# Altium PCB PCB1.PcbDoc (part 5 of 14)
Units mm, origin at the board's own origin, x right, y up, seen from the top; angles counter-clockwise.
Board outline 77.2 x 62.23 mm, 2 copper layers (Top Layer, Bottom Layer); 102 components, 131 nets, 23089 pads, 324 vias.
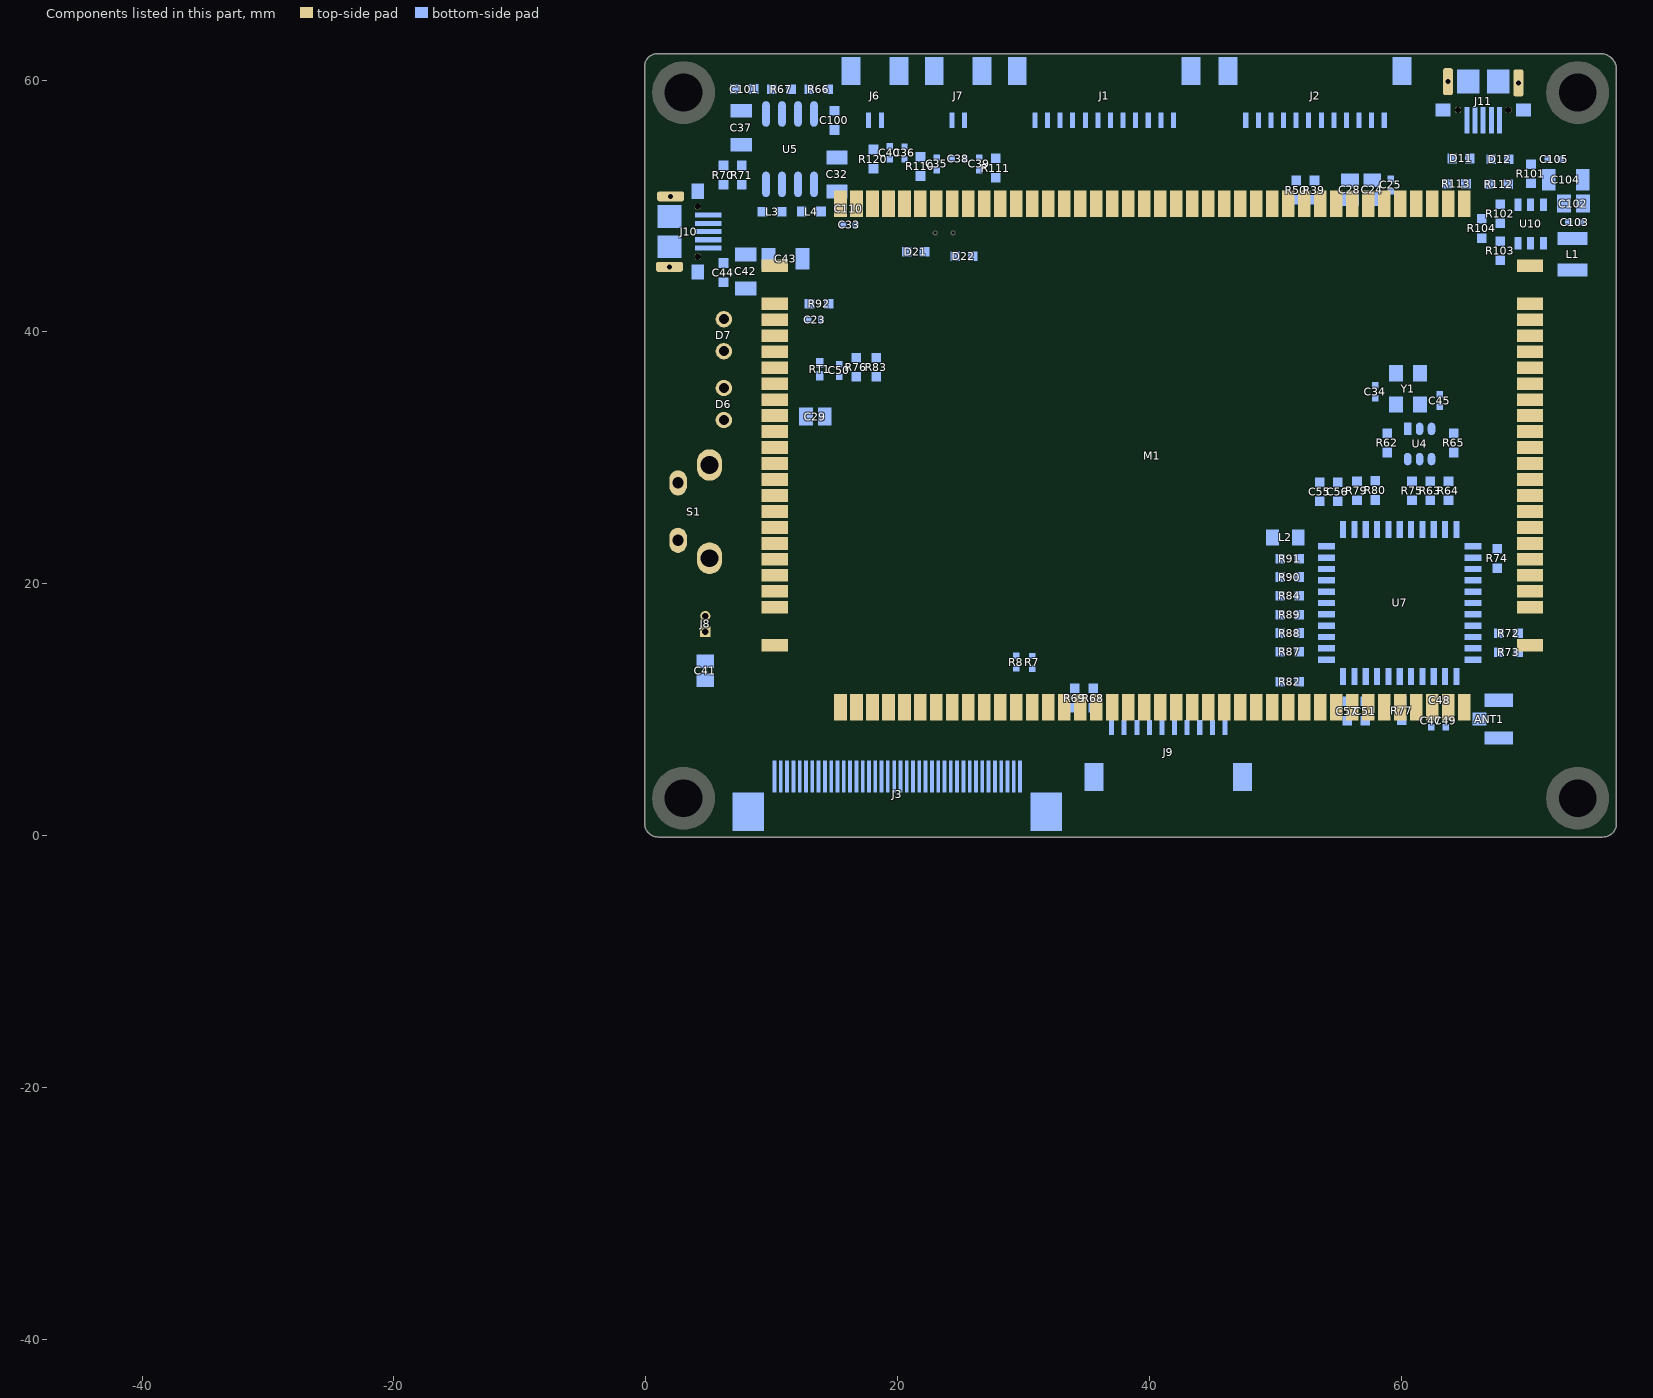
[diagram p5: the components of this part, seen from the top]

## Free pads (board coordinates) (continued)
  round 0 on Mech3: 1(-45.241,-40.495) 1(-45.241,-40.495) 1(-45.241,-40.495) 1(-45.24,-40.49) 1(-45.24,-40.49) 1(-45.24,-40.49) 1(-45.24,-40.49) 1(-45.24,-40.49) 1(-45.24,-40.49) 1(-45.24,-40.49) 1(-45.24,-40.49) 1(-45.24,-40.49) 1(-45.24,-40.492) 1(-45.24,-40.492) 1(-45.24,-40.492) 1(-45.24,-40.48) 1(-45.24,-40.48) 1(-45.24,-40.48) 1(-45.24,-40.48) 1(-45.24,-40.48) 1(-45.24,-40.48) 1(-45.24,-40.473) 1(-45.24,-40.473) 1(-45.24,-40.473) 1(-45.24,-40.48) 1(-45.24,-40.48) 1(-45.24,-40.48) 1(-45.24,-40.48) 1(-45.24,-40.48) 1(-45.24,-40.48) 1(-45.24,-40.512) 1(-45.24,-40.512) 1(-45.24,-40.512) 1(-45.24,-40.488) 1(-45.24,-40.488) 1(-45.24,-40.488) 1(-45.24,-40.485) 1(-45.24,-40.485) 1(-45.24,-40.485) 1(-45.239,-40.495) 1(-45.239,-40.495) 1(-45.239,-40.495) 1(-45.239,-40.472) 1(-45.239,-40.472) 1(-45.239,-40.472) 1(-45.239,-40.499) 1(-45.239,-40.499) 1(-45.239,-40.499) 1(-45.239,-40.511) 1(-45.239,-40.511) 1(-45.239,-40.511) 1(-45.239,-40.482) 1(-45.239,-40.482) 1(-45.239,-40.482) 1(-45.239,-40.516) 1(-45.239,-40.516) 1(-45.239,-40.516) 1(-45.239,-40.516) 1(-45.239,-40.516) 1(-45.239,-40.516) 1(-45.239,-40.513) 1(-45.239,-40.513) 1(-45.239,-40.513) 1(-45.239,-40.479) 1(-45.239,-40.479) 1(-45.239,-40.479) 1(-45.239,-40.479) 1(-45.239,-40.479) 1(-45.239,-40.479) 1(-45.239,-40.473) 1(-45.239,-40.473) 1(-45.239,-40.473) 1(-45.239,-40.498) 1(-45.239,-40.498) 1(-45.239,-40.498) 1(-45.239,-40.498) 1(-45.239,-40.498) 1(-45.239,-40.498) 1(-45.239,-40.502) 1(-45.239,-40.502) 1(-45.239,-40.502) 1(-45.238,-40.485) 1(-45.238,-40.485) 1(-45.238,-40.485) 1(-45.238,-40.49) 1(-45.238,-40.49) 1(-45.238,-40.49) 1(-45.238,-40.49) 1(-45.238,-40.49) 1(-45.238,-40.49) 1(-45.238,-40.47) 1(-45.238,-40.47) 1(-45.238,-40.47) 1(-45.238,-40.47) 1(-45.238,-40.47) 1(-45.238,-40.47) 1(-45.238,-40.498) 1(-45.238,-40.498) 1(-45.238,-40.498) 1(-45.238,-40.471) 1(-45.238,-40.471) 1(-45.238,-40.471) 1(-45.238,-40.471) 1(-45.238,-40.471) 1(-45.238,-40.471) 1(-45.238,-40.488) 1(-45.238,-40.488) 1(-45.238,-40.488) 1(-45.238,-40.513) 1(-45.238,-40.513) 1(-45.238,-40.513) 1(-45.237,-40.503) 1(-45.237,-40.503) 1(-45.237,-40.503) 1(-45.237,-40.509) 1(-45.237,-40.509) 1(-45.237,-40.509) 1(-45.237,-40.507) 1(-45.237,-40.507) 1(-45.237,-40.507) 1(-45.237,-40.506) 1(-45.237,-40.506) 1(-45.237,-40.506) 1(-45.237,-40.501) 1(-45.237,-40.501) 1(-45.237,-40.501) 1(-45.237,-40.493) 1(-45.237,-40.493) 1(-45.237,-40.493) 1(-45.237,-40.504) 1(-45.237,-40.504) 1(-45.237,-40.504) 1(-45.237,-40.516) 1(-45.237,-40.516) 1(-45.237,-40.516) 1(-45.237,-40.516) 1(-45.237,-40.516) 1(-45.237,-40.516) 1(-45.237,-40.513) 1(-45.237,-40.513) 1(-45.237,-40.513) 1(-45.237,-40.513) 1(-45.237,-40.513) 1(-45.237,-40.513) 1(-45.237,-40.491) 1(-45.237,-40.491) 1(-45.237,-40.491) 1(-45.237,-40.47) 1(-45.237,-40.47) 1(-45.237,-40.47) 1(-45.237,-40.47) 1(-45.237,-40.47) 1(-45.237,-40.47) 1(-45.237,-40.47) 1(-45.237,-40.47) 1(-45.237,-40.47) 1(-45.237,-40.47) 1(-45.237,-40.47) 1(-45.237,-40.47) 1(-45.236,-40.516) 1(-45.236,-40.516) 1(-45.236,-40.516) 1(-45.236,-40.516) 1(-45.236,-40.516) 1(-45.236,-40.516) 1(-45.236,-40.513) 1(-45.236,-40.513) 1(-45.236,-40.513) 1(-45.236,-40.513) 1(-45.236,-40.513) 1(-45.236,-40.513) 1(-45.236,-40.485) 1(-45.236,-40.485) 1(-45.236,-40.485) 1(-45.236,-40.513) 1(-45.236,-40.513) 1(-45.236,-40.513) 1(-45.236,-40.498) 1(-45.236,-40.498) 1(-45.236,-40.498) 1(-45.236,-40.491) 1(-45.236,-40.491) 1(-45.236,-40.491) 1(-45.236,-40.479) 1(-45.236,-40.479) 1(-45.236,-40.479) 1(-45.236,-40.463) 1(-45.236,-40.463) 1(-45.236,-40.463) 1(-45.236,-40.5) 1(-45.236,-40.5) 1(-45.236,-40.5) 1(-45.236,-40.49) 1(-45.236,-40.49) 1(-45.236,-40.49) 1(-45.236,-40.493) 1(-45.236,-40.493) 1(-45.236,-40.493) 1(-45.236,-40.486) 1(-45.236,-40.486) 1(-45.236,-40.486) 1(-45.235,-40.509) 1(-45.235,-40.509) 1(-45.235,-40.509) 1(-45.235,-40.507) 1(-45.235,-40.507) 1(-45.235,-40.507) 1(-45.235,-40.505) 1(-45.235,-40.505) 1(-45.235,-40.505) 1(-45.235,-40.504) 1(-45.235,-40.504) 1(-45.235,-40.504) 1(-45.235,-40.502) 1(-45.235,-40.502) 1(-45.235,-40.502) 1(-45.235,-40.513) 1(-45.235,-40.513) 1(-45.235,-40.513) 1(-45.235,-40.517) 1(-45.235,-40.517) 1(-45.235,-40.517) 1(-45.235,-40.517) 1(-45.235,-40.517) 1(-45.235,-40.517) 1(-45.235,-40.513) 1(-45.235,-40.513) 1(-45.235,-40.513) 1(-45.235,-40.513) 1(-45.235,-40.513) 1(-45.235,-40.513) 1(-45.235,-40.488) 1(-45.235,-40.488) 1(-45.235,-40.488) 1(-45.234,-40.47) 1(-45.234,-40.47) 1(-45.234,-40.47) 1(-45.234,-40.496) 1(-45.234,-40.496) 1(-45.234,-40.496) 1(-45.234,-40.495) 1(-45.234,-40.495) 1(-45.234,-40.495) 1(-45.234,-40.466) 1(-45.234,-40.466) 1(-45.234,-40.466) 1(-45.234,-40.491) 1(-45.234,-40.491) 1(-45.234,-40.491) 1(-45.234,-40.497) 1(-45.234,-40.497) 1(-45.234,-40.497) 1(-45.234,-40.482) 1(-45.234,-40.482) 1(-45.234,-40.482) 1(-45.234,-40.47) 1(-45.234,-40.47) 1(-45.234,-40.47) 1(-45.234,-40.47) 1(-45.234,-40.47) 1(-45.234,-40.47) 1(-45.234,-40.513) 1(-45.234,-40.513) 1(-45.234,-40.513) 1(-45.234,-40.516) 1(-45.234,-40.516) 1(-45.234,-40.516) 1(-45.234,-40.516) 1(-45.234,-40.516) 1(-45.234,-40.516) 1(-45.234,-40.513) 1(-45.234,-40.513) 1(-45.234,-40.513) 1(-45.234,-40.513) 1(-45.234,-40.513) 1(-45.234,-40.513) 1(-45.234,-40.517) 1(-45.234,-40.517) 1(-45.234,-40.517) 1(-45.234,-40.469) 1(-45.234,-40.469) 1(-45.234,-40.469) 1(-45.234,-40.469) 1(-45.234,-40.469) 1(-45.234,-40.469) 1(-45.233,-40.502) 1(-45.233,-40.502) 1(-45.233,-40.502) 1(-45.233,-40.515) 1(-45.233,-40.515) 1(-45.233,-40.515) 1(-45.233,-40.515) 1(-45.233,-40.515) 1(-45.233,-40.515) 1(-45.233,-40.513) 1(-45.233,-40.513) 1(-45.233,-40.513) 1(-45.233,-40.513) 1(-45.233,-40.513) 1(-45.233,-40.513) 1(-45.233,-40.5) 1(-45.233,-40.5) 1(-45.233,-40.5) 1(-45.233,-40.505) 1(-45.233,-40.505) 1(-45.233,-40.505) 1(-45.233,-40.507) 1(-45.233,-40.507) 1(-45.233,-40.507) 1(-45.233,-40.504) 1(-45.233,-40.504) 1(-45.233,-40.504) 1(-45.232,-40.513) 1(-45.232,-40.513) 1(-45.232,-40.513) 1(-45.232,-40.509) 1(-45.232,-40.509) 1(-45.232,-40.509) 1(-45.232,-40.483) 1(-45.232,-40.483) 1(-45.232,-40.483) 1(-45.232,-40.471) 1(-45.232,-40.471) 1(-45.232,-40.471) 1(-45.232,-40.471) 1(-45.232,-40.471) 1(-45.232,-40.471) 1(-45.232,-40.49) 1(-45.232,-40.49) 1(-45.232,-40.49) 1(-45.232,-40.47) 1(-45.232,-40.47) 1(-45.232,-40.47) 1(-45.232,-40.47) 1(-45.232,-40.47) 1(-45.232,-40.47) 1(-45.232,-40.515) 1(-45.232,-40.515) 1(-45.232,-40.515) 1(-45.232,-40.515) 1(-45.232,-40.515) 1(-45.232,-40.515) 1(-45.232,-40.462) 1(-45.232,-40.462) 1(-45.232,-40.462) 1(-45.232,-40.469) 1(-45.232,-40.469) 1(-45.232,-40.469) 1(-45.232,-40.469) 1(-45.232,-40.469) 1(-45.232,-40.469) 1(-45.232,-40.468) 1(-45.232,-40.468) 1(-45.232,-40.468) 1(-45.232,-40.468) 1(-45.232,-40.468) 1(-45.232,-40.468) 1(-45.232,-40.47) 1(-45.232,-40.47) 1(-45.232,-40.47) 1(-45.232,-40.47) 1(-45.232,-40.47) 1(-45.232,-40.47) 1(-45.232,-40.515) 1(-45.232,-40.515) 1(-45.232,-40.515) 1(-45.232,-40.515) 1(-45.232,-40.515) 1(-45.232,-40.515) 1(-45.232,-40.516) 1(-45.232,-40.516) 1(-45.232,-40.516) 1(-45.231,-40.47) 1(-45.231,-40.47) 1(-45.231,-40.47) 1(-45.231,-40.47) 1(-45.231,-40.47) 1(-45.231,-40.47) 1(-45.231,-40.469) 1(-45.231,-40.469) 1(-45.231,-40.469) 1(-45.231,-40.469) 1(-45.231,-40.469) 1(-45.231,-40.469) 1(-45.231,-40.471) 1(-45.231,-40.471) 1(-45.231,-40.471) 1(-45.231,-40.471) 1(-45.231,-40.471) 1(-45.231,-40.471) 1(-45.231,-40.471) 1(-45.231,-40.471) 1(-45.231,-40.471) 1(-45.231,-40.471) 1(-45.231,-40.471) 1(-45.231,-40.471) 1(-45.231,-40.514) 1(-45.231,-40.514) 1(-45.231,-40.514) 1(-45.231,-40.514) 1(-45.231,-40.514) 1(-45.231,-40.514) 1(-45.231,-40.513) 1(-45.231,-40.513) 1(-45.231,-40.513) 1(-45.231,-40.517) 1(-45.231,-40.517) 1(-45.231,-40.517) 1(-45.231,-40.469) 1(-45.231,-40.469) 1(-45.231,-40.469) 1(-45.231,-40.469) 1(-45.231,-40.469) 1(-45.231,-40.469) 1(-45.231,-40.468) 1(-45.231,-40.468) 1(-45.231,-40.468) 1(-45.231,-40.463) 1(-45.231,-40.463) 1(-45.231,-40.463) 1(-45.231,-40.469) 1(-45.231,-40.469) 1(-45.231,-40.469) 1(-45.231,-40.469) 1(-45.231,-40.469) 1(-45.231,-40.469) 1(-45.231,-40.469) 1(-45.231,-40.469) 1(-45.231,-40.469) 1(-45.231,-40.471) 1(-45.231,-40.471) 1(-45.231,-40.471) 1(-45.231,-40.471) 1(-45.231,-40.471) 1(-45.231,-40.471) 1(-45.231,-40.469) 1(-45.231,-40.469) 1(-45.231,-40.469) 1(-45.231,-40.469) 1(-45.231,-40.469) 1(-45.231,-40.469) 1(-45.231,-40.492) 1(-45.231,-40.492) 1(-45.231,-40.492) 1(-45.231,-40.468) 1(-45.231,-40.468) 1(-45.231,-40.468) 1(-45.231,-40.468) 1(-45.231,-40.468) 1(-45.231,-40.468) 1(-45.231,-40.486) 1(-45.231,-40.486) 1(-45.231,-40.486) 1(-45.23,-40.49) 1(-45.23,-40.49) 1(-45.23,-40.49) 1(-45.23,-40.509) 1(-45.23,-40.509) 1(-45.23,-40.509) 1(-45.23,-40.508) 1(-45.23,-40.508) 1(-45.23,-40.508) 1(-45.23,-40.502) 1(-45.23,-40.502) 1(-45.23,-40.502) 1(-45.23,-40.5) 1(-45.23,-40.5) 1(-45.23,-40.5) 1(-45.23,-40.504) 1(-45.23,-40.504) 1(-45.23,-40.504) 1(-45.23,-40.467) 1(-45.23,-40.467) 1(-45.23,-40.467) 1(-45.23,-40.467) 1(-45.23,-40.467) 1(-45.23,-40.467) 1(-45.23,-40.506) 1(-45.23,-40.506) 1(-45.23,-40.506) 1(-45.23,-40.498) 1(-45.23,-40.498) 1(-45.23,-40.498) 1(-45.23,-40.507) 1(-45.23,-40.507) 1(-45.23,-40.507) 1(-45.23,-40.485) 1(-45.23,-40.485) 1(-45.23,-40.485) 1(-45.23,-40.494) 1(-45.23,-40.494) 1(-45.23,-40.494) 1(-45.23,-40.494) 1(-45.23,-40.494) 1(-45.23,-40.494) 1(-45.229,-40.467) 1(-45.229,-40.467) 1(-45.229,-40.467) 1(-45.229,-40.467) 1(-45.229,-40.467) 1(-45.229,-40.467) 1(-45.229,-40.494) 1(-45.229,-40.494) 1(-45.229,-40.494) 1(-45.229,-40.469) 1(-45.229,-40.469) 1(-45.229,-40.469) 1(-45.229,-40.469) 1(-45.229,-40.469) 1(-45.229,-40.469) 1(-45.229,-40.502) 1(-45.229,-40.502) 1(-45.229,-40.502) 1(-45.229,-40.466) 1(-45.229,-40.466) 1(-45.229,-40.466) 1(-45.229,-40.497) 1(-45.229,-40.497) 1(-45.229,-40.497) 1(-45.229,-40.49) 1(-45.229,-40.49) 1(-45.229,-40.49) 1(-45.229,-40.468) 1(-45.229,-40.468) 1(-45.229,-40.468) 1(-45.229,-40.468) 1(-45.229,-40.468) 1(-45.229,-40.468) 1(-45.229,-40.475) 1(-45.229,-40.475) 1(-45.229,-40.475) 1(-45.229,-40.511) 1(-45.229,-40.511) 1(-45.229,-40.511) 1(-45.228,-40.499) 1(-45.228,-40.499) 1(-45.228,-40.499) 1(-45.228,-40.499) 1(-45.228,-40.499) 1(-45.228,-40.499) 1(-45.228,-40.495) 1(-45.228,-40.495) 1(-45.228,-40.495) 1(-45.228,-40.495) 1(-45.228,-40.495) 1(-45.228,-40.495) 1(-45.228,-40.499) 1(-45.228,-40.499) 1(-45.228,-40.499) 1(-45.228,-40.499) 1(-45.228,-40.499) 1(-45.228,-40.499) 1(-45.228,-40.517) 1(-45.228,-40.517) 1(-45.228,-40.517) 1(-45.228,-40.496) 1(-45.228,-40.496) 1(-45.228,-40.496) 1(-45.228,-40.515) 1(-45.228,-40.515) 1(-45.228,-40.515) 1(-45.228,-40.51) 1(-45.228,-40.51) 1(-45.228,-40.51) 1(-45.228,-40.513) 1(-45.228,-40.513) 1(-45.228,-40.513) 1(-45.227,-40.518) 1(-45.227,-40.518) 1(-45.227,-40.518) 1(-45.227,-40.518) 1(-45.227,-40.518) 1(-45.227,-40.518) 1(-45.227,-40.518) 1(-45.227,-40.518) 1(-45.227,-40.518) 1(-45.227,-40.518) 1(-45.227,-40.518) 1(-45.227,-40.518) 1(-45.227,-40.495) 1(-45.227,-40.495) 1(-45.227,-40.495) 1(-45.227,-40.495) 1(-45.227,-40.495) 1(-45.227,-40.495) 1(-45.227,-40.518) 1(-45.227,-40.518) 1(-45.227,-40.518) 1(-45.227,-40.518) 1(-45.227,-40.518) 1(-45.227,-40.518) 1(-45.227,-40.499) 1(-45.227,-40.499) 1(-45.227,-40.499) 1(-45.227,-40.517) 1(-45.227,-40.517) 1(-45.227,-40.517) 1(-45.227,-40.517) 1(-45.227,-40.517) 1(-45.227,-40.517) 1(-45.227,-40.507) 1(-45.227,-40.507) 1(-45.227,-40.507) 1(-45.227,-40.507) 1(-45.227,-40.507) 1(-45.227,-40.507) 1(-45.227,-40.519) 1(-45.227,-40.519) 1(-45.227,-40.519) 1(-45.227,-40.519) 1(-45.227,-40.519) 1(-45.227,-40.519) 1(-45.226,-40.473) 1(-45.226,-40.473) 1(-45.226,-40.473) 1(-45.226,-40.468) 1(-45.226,-40.468) 1(-45.226,-40.468) 1(-45.226,-40.468) 1(-45.226,-40.468) 1(-45.226,-40.468) 1(-45.226,-40.496) 1(-45.226,-40.496) 1(-45.226,-40.496) 1(-45.226,-40.496) 1(-45.226,-40.496) 1(-45.226,-40.496) 1(-45.226,-40.494) 1(-45.226,-40.494) 1(-45.226,-40.494) 1(-45.226,-40.494) 1(-45.226,-40.494) 1(-45.226,-40.494) 1(-45.226,-40.517) 1(-45.226,-40.517) 1(-45.226,-40.517) 1(-45.226,-40.517) 1(-45.226,-40.517) 1(-45.226,-40.517) 1(-45.226,-40.51) 1(-45.226,-40.51) 1(-45.226,-40.51) 1(-45.226,-40.51) 1(-45.226,-40.51) 1(-45.226,-40.51) 1(-45.226,-40.497) 1(-45.226,-40.497) 1(-45.226,-40.497) 1(-45.226,-40.497) 1(-45.226,-40.497) 1(-45.226,-40.497) 1(-45.226,-40.503) 1(-45.226,-40.503) 1(-45.226,-40.503) 1(-45.226,-40.492) 1(-45.226,-40.492) 1(-45.226,-40.492) 1(-45.226,-40.492) 1(-45.226,-40.492) 1(-45.226,-40.492) 1(-45.226,-40.498) 1(-45.226,-40.498) 1(-45.226,-40.498) 1(-45.226,-40.498) 1(-45.226,-40.498) 1(-45.226,-40.498) 1(-45.226,-40.517) 1(-45.226,-40.517) 1(-45.226,-40.517) 1(-45.226,-40.517) 1(-45.226,-40.517) 1(-45.226,-40.517) 1(-45.226,-40.51) 1(-45.226,-40.51) 1(-45.226,-40.51) 1(-45.226,-40.51) 1(-45.226,-40.51) 1(-45.226,-40.51) 1(-45.226,-40.486) 1(-45.226,-40.486) 1(-45.226,-40.486) 1(-45.226,-40.486) 1(-45.226,-40.486) 1(-45.226,-40.486) 1(-45.225,-40.491) 1(-45.225,-40.491) 1(-45.225,-40.491) 1(-45.225,-40.491) 1(-45.225,-40.491) 1(-45.225,-40.491) 1(-45.225,-40.49) 1(-45.225,-40.49) 1(-45.225,-40.49) 1(-45.225,-40.49) 1(-45.225,-40.49) 1(-45.225,-40.49) 1(-45.225,-40.517) 1(-45.225,-40.517) 1(-45.225,-40.517) 1(-45.225,-40.517) 1(-45.225,-40.517) 1(-45.225,-40.517) 1(-45.225,-40.506) 1(-45.225,-40.506) 1(-45.225,-40.506) 1(-45.225,-40.506) 1(-45.225,-40.506) 1(-45.225,-40.506) 1(-45.225,-40.466) 1(-45.225,-40.466) 1(-45.225,-40.466) 1(-45.225,-40.519) 1(-45.225,-40.519) 1(-45.225,-40.519) 1(-45.225,-40.498) 1(-45.225,-40.498) 1(-45.225,-40.498) 1(-45.225,-40.481) 1(-45.225,-40.481) 1(-45.225,-40.481) 1(-45.225,-40.481) 1(-45.225,-40.481) 1(-45.225,-40.481) 1(-45.225,-40.48) 1(-45.225,-40.48) 1(-45.225,-40.48) 1(-45.225,-40.48) 1(-45.225,-40.48) 1(-45.225,-40.48) 1(-45.225,-40.487) 1(-45.225,-40.487) 1(-45.225,-40.487) 1(-45.225,-40.487) 1(-45.225,-40.487) 1(-45.225,-40.487) 1(-45.225,-40.482) 1(-45.225,-40.482) 1(-45.225,-40.482) 1(-45.225,-40.482) 1(-45.225,-40.482) 1(-45.225,-40.482) 1(-45.225,-40.481) 1(-45.225,-40.481) 1(-45.225,-40.481) 1(-45.225,-40.481) 1(-45.225,-40.481) 1(-45.225,-40.481) 1(-45.225,-40.47) 1(-45.225,-40.47) 1(-45.225,-40.47) 1(-45.224,-40.516) 1(-45.224,-40.516) 1(-45.224,-40.516) 1(-45.224,-40.513) 1(-45.224,-40.513) 1(-45.224,-40.513) 1(-45.224,-40.467) 1(-45.224,-40.467) 1(-45.224,-40.467) 1(-45.224,-40.467) 1(-45.224,-40.467) 1(-45.224,-40.467) 1(-45.224,-40.497) 1(-45.224,-40.497) 1(-45.224,-40.497) 1(-45.224,-40.497) 1(-45.224,-40.497) 1(-45.224,-40.497) 1(-45.224,-40.494) 1(-45.224,-40.494) 1(-45.224,-40.494) 1(-45.224,-40.494) 1(-45.224,-40.494) 1(-45.224,-40.494) 1(-45.224,-40.469) 1(-45.224,-40.469) 1(-45.224,-40.469) 1(-45.224,-40.469) 1(-45.224,-40.469) 1(-45.224,-40.469) 1(-45.224,-40.49) 1(-45.224,-40.49) 1(-45.224,-40.49) 1(-45.224,-40.49) 1(-45.224,-40.49) 1(-45.224,-40.49) 1(-45.223,-40.491) 1(-45.223,-40.491) 1(-45.223,-40.491) 1(-45.223,-40.491) 1(-45.223,-40.491) 1(-45.223,-40.491) 1(-45.223,-40.49) 1(-45.223,-40.49) 1(-45.223,-40.49) 1(-45.223,-40.49) 1(-45.223,-40.49) 1(-45.223,-40.49) 1(-45.223,-40.487) 1(-45.223,-40.487) 1(-45.223,-40.487) 1(-45.223,-40.486) 1(-45.223,-40.486) 1(-45.223,-40.486) 1(-45.223,-40.486) 1(-45.223,-40.486) 1(-45.223,-40.486) 1(-45.223,-40.481) 1(-45.223,-40.481) 1(-45.223,-40.481) 1(-45.223,-40.503) 1(-45.223,-40.503) 1(-45.223,-40.503) 1(-45.223,-40.501) 1(-45.223,-40.501) 1(-45.223,-40.501) 1(-45.223,-40.5) 1(-45.223,-40.5) 1(-45.223,-40.5) 1(-45.223,-40.499) 1(-45.223,-40.499) 1(-45.223,-40.499) 1(-45.223,-40.498) 1(-45.223,-40.498) 1(-45.223,-40.498) 1(-45.223,-40.496) 1(-45.223,-40.496) 1(-45.223,-40.496) 1(-45.223,-40.495) 1(-45.223,-40.495) 1(-45.223,-40.495) 1(-45.223,-40.494) 1(-45.223,-40.494) 1(-45.223,-40.494) 1(-45.223,-40.492) 1(-45.223,-40.492) 1(-45.223,-40.492) 1(-45.223,-40.491) 1(-45.223,-40.491) 1(-45.223,-40.491) 1(-45.223,-40.49) 1(-45.223,-40.49) 1(-45.223,-40.49) 1(-45.223,-40.489) 1(-45.223,-40.489) 1(-45.223,-40.489) 1(-45.223,-40.487) 1(-45.223,-40.487) 1(-45.223,-40.487) 1(-45.223,-40.487) 1(-45.223,-40.487) 1(-45.223,-40.487) 1(-45.223,-40.486) 1(-45.223,-40.486) 1(-45.223,-40.486) 1(-45.223,-40.482) 1(-45.223,-40.482) 1(-45.223,-40.482) 1(-45.223,-40.481) 1(-45.223,-40.481) 1(-45.223,-40.481) 1(-45.223,-40.481) 1(-45.223,-40.481) 1(-45.223,-40.481) 1(-45.223,-40.477) 1(-45.223,-40.477) 1(-45.223,-40.477) 1(-45.223,-40.463) 1(-45.223,-40.463) 1(-45.223,-40.463) 1(-45.223,-40.475) 1(-45.223,-40.475) 1(-45.223,-40.475) 1(-45.223,-40.468) 1(-45.223,-40.468) 1(-45.223,-40.468) 1(-45.223,-40.502) 1(-45.223,-40.502) 1(-45.223,-40.502) 1(-45.223,-40.502) 1(-45.223,-40.502) 1(-45.223,-40.502) 1(-45.223,-40.479) 1(-45.223,-40.479) 1(-45.223,-40.479) 1(-45.223,-40.507) 1(-45.223,-40.507) 1(-45.223,-40.507) 1(-45.223,-40.509) 1(-45.223,-40.509) 1(-45.223,-40.509) 1(-45.223,-40.462) 1(-45.223,-40.462) 1(-45.223,-40.462) 1(-45.223,-40.516) 1(-45.223,-40.516) 1(-45.223,-40.516) 1(-45.222,-40.463) 1(-45.222,-40.463) 1(-45.222,-40.463) 1(-45.222,-40.469) 1(-45.222,-40.469) 1(-45.222,-40.469) 1(-45.222,-40.469) 1(-45.222,-40.469) 1(-45.222,-40.469) 1(-45.222,-40.494) 1(-45.222,-40.494) 1(-45.222,-40.494) 1(-45.222,-40.502) 1(-45.222,-40.502) 1(-45.222,-40.502) 1(-45.222,-40.502) 1(-45.222,-40.502) 1(-45.222,-40.502) 1(-45.222,-40.492) 1(-45.222,-40.492) 1(-45.222,-40.492) 1(-45.222,-40.519) 1(-45.222,-40.519) 1(-45.222,-40.519) 1(-45.222,-40.489) 1(-45.222,-40.489) 1(-45.222,-40.489) 1(-45.222,-40.489) 1(-45.222,-40.489) 1(-45.222,-40.489) 1(-45.222,-40.508) 1(-45.222,-40.508) 1(-45.222,-40.508) 1(-45.222,-40.49) 1(-45.222,-40.49) 1(-45.222,-40.49) 1(-45.222,-40.483) 1(-45.222,-40.483) 1(-45.222,-40.483) 1(-45.222,-40.473) 1(-45.222,-40.473) 1(-45.222,-40.473) 1(-45.222,-40.473) 1(-45.222,-40.473) 1(-45.222,-40.473) 1(-45.222,-40.471) 1(-45.222,-40.471) 1(-45.222,-40.471) 1(-45.222,-40.471) 1(-45.222,-40.471) 1(-45.222,-40.471) 1(-45.222,-40.48) 1(-45.222,-40.48) 1(-45.222,-40.48) 1(-45.222,-40.467) 1(-45.222,-40.467) 1(-45.222,-40.467) 1(-45.222,-40.504) 1(-45.222,-40.504) 1(-45.222,-40.504) 1(-45.221,-40.475) 1(-45.221,-40.475) 1(-45.221,-40.475) 1(-45.221,-40.501) 1(-45.221,-40.501) 1(-45.221,-40.501) 1(-45.221,-40.501) 1(-45.221,-40.501) 1(-45.221,-40.501) 1(-45.221,-40.488) 1(-45.221,-40.488) 1(-45.221,-40.488) 1(-45.221,-40.485) 1(-45.221,-40.485) 1(-45.221,-40.485) 1(-45.221,-40.469) 1(-45.221,-40.469) 1(-45.221,-40.469) 1(-45.221,-40.484) 1(-45.221,-40.484) 1(-45.221,-40.484) 1(-45.221,-40.5) 1(-45.221,-40.5) 1(-45.221,-40.5) 1(-45.221,-40.5) 1(-45.221,-40.5) 1(-45.221,-40.5) 1(-45.221,-40.514) 1(-45.221,-40.514) 1(-45.221,-40.514) 1(-45.22,-40.47) 1(-45.22,-40.47) 1(-45.22,-40.47) 1(-45.22,-40.499) 1(-45.22,-40.499) 1(-45.22,-40.499) 1(-45.22,-40.499) 1(-45.22,-40.499) 1(-45.22,-40.499) 1(-45.22,-40.467) 1(-45.22,-40.467) 1(-45.22,-40.467) 1(-45.219,-40.482) 1(-45.219,-40.482) 1(-45.219,-40.482) 1(-45.219,-40.508) 1(-45.219,-40.508) 1(-45.219,-40.508) 1(-45.219,-40.495) 1(-45.219,-40.495) 1(-45.219,-40.495) 1(-45.219,-40.47) 1(-45.219,-40.47) 1(-45.219,-40.47) 1(-45.218,-40.471) 1(-45.218,-40.471) 1(-45.218,-40.471) 1(-45.218,-40.476) 1(-45.218,-40.476) 1(-45.218,-40.476) 1(-45.218,-40.473) 1(-45.218,-40.473) 1(-45.218,-40.473) 1(-45.218,-40.478) 1(-45.218,-40.478) 1(-45.218,-40.478) 1(-45.218,-40.519) 1(-45.218,-40.519) 1(-45.218,-40.519) 1(-45.218,-40.515) 1(-45.218,-40.515) 1(-45.218,-40.515) 1(-45.218,-40.482) 1(-45.218,-40.482) 1(-45.218,-40.482) 1(-45.218,-40.462) 1(-45.218,-40.462) 1(-45.218,-40.462) 1(-45.217,-40.486) 1(-45.217,-40.486) 1(-45.217,-40.486) 1(-45.217,-40.494) 1(-45.217,-40.494) 1(-45.217,-40.494) 1(-45.217,-40.49) 1(-45.217,-40.49) 1(-45.217,-40.49) 1(-45.217,-40.466) 1(-45.217,-40.466) 1(-45.217,-40.466) 1(-45.217,-40.503) 1(-45.217,-40.503) 1(-45.217,-40.503) 1(-45.217,-40.508) 1(-45.217,-40.508) 1(-45.217,-40.508) 1(-45.217,-40.498) 1(-45.217,-40.498) 1(-45.217,-40.498)